# KiCad board TRS80_Model_I_Jap20_E1.kicad_pcb (continued)
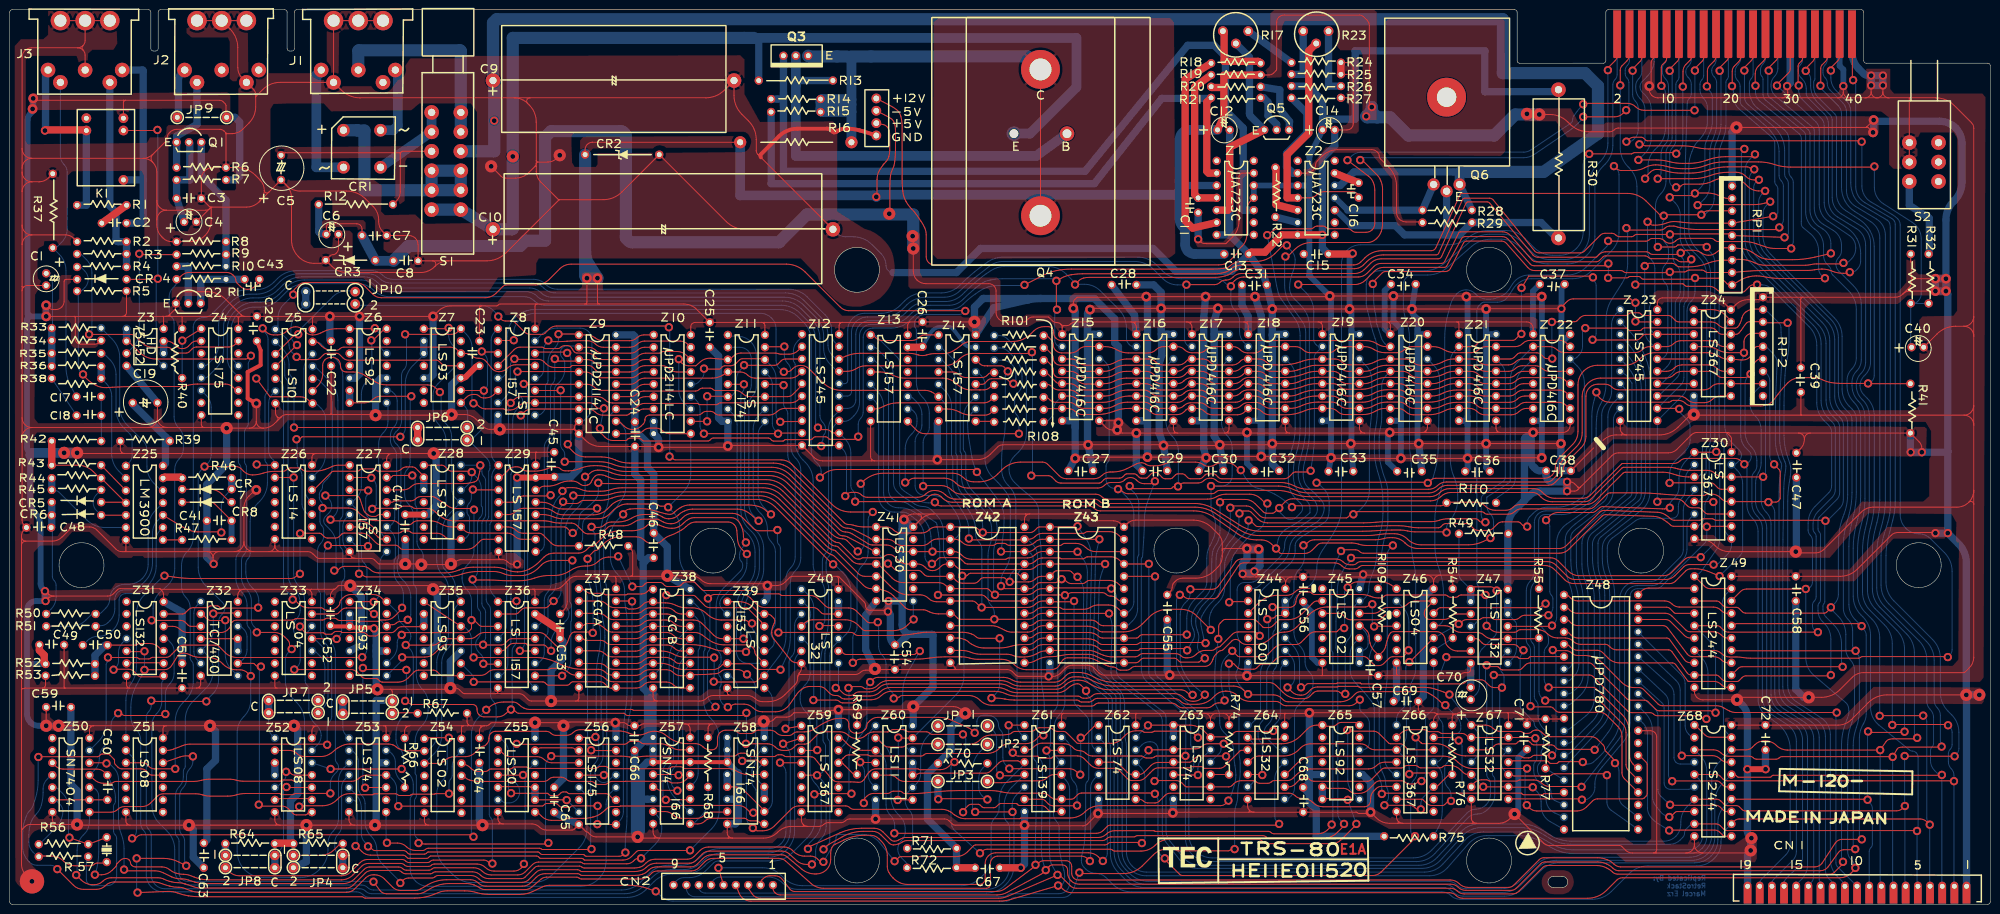
[diagram p0: board, top side]
## Routing (per net, layer and track width the routed paths; a pad name or vN(x,y) marks a point on that pad's centre or on a via; arc(x,y) is an arc through that point) (continued)
  Bottom w0.2: v2(260.22,73.17) 260.67,75.05 arc(260.95,75.78) 261.43,76.41 261.93,76.92 arc(262,76.98) 262.07,77.03 arc(262.15,77.08) 262.23,77.13 264.46,78.44 arc(265.4,79.05) 266.28,79.75 267.1,80.46 arc(267.13,80.48) 267.17,80.51 arc(267.2,80.54) 267.21,80.58 267.21,81.43 arc(267.04,82.25) 266.58,82.94 265.4,84.12 arc(264.7,84.98) 264.19,85.97 arc(263.88,87.03) 263.78,88.14 263.78,88.79 arc(263.9,90.55) 264.26,92.28 264.54,93.28 arc(265.01,95.54) 265.17,97.86 265.17,116.95 arc(265.11,117.87) 264.92,118.76 arc(264.6,119.62) 264.14,120.41 261.27,124.52 arc(260.91,125.14) 260.67,125.81 arc(260.49,126.51) 260.34,127.22 v2(258.42,137.64) ; v2(284.22,73.81) 283.65,73.23 arc(283.23,72.6) 283.08,71.85 283.08,47.54 arc(283.02,46) 282.83,44.47 arc(282.64,42.94) 282.57,41.4 282.57,29.94 arc(282.82,28.7) 283.53,27.64 284.3,26.87 arc(284.5,26.74) 284.73,26.69 Z66.5 ; v2(346.23,163.32) 346.26,163.35 arc(346.29,163.4) 346.3,163.45 v2(346.3,171.49) ; v2(274.9,153.05) 275.73,153.88 arc(276.64,154.49) 277.72,154.7 311.13,154.7 arc(311.88,154.82) 312.55,155.14 320.81,160.68 arc(321.08,160.98) 321.18,161.37 arc(321.25,161.8) 321.44,162.18 322.09,163.08 arc(322.47,163.58) 322.9,164.04 323.31,164.46 arc(323.33,164.49) 323.34,164.52 v2(323.34,164.56) ; v2(190.12,82.7) 190.05,82.63 arc(189.98,82.59) 189.9,82.57 188.78,82.57 arc(187.62,82.73) 186.56,83.21 184.3,84.64 arc(183.79,85.01) 183.32,85.43 arc(182.99,85.93) 182.87,86.51 182.87,110.62 arc(182.87,110.63) 182.87,110.63 arc(182.88,110.64) 182.88,110.64 182.88,111.33 arc(182.75,111.98) 182.38,112.53 178.11,116.8 arc(177.76,117.03) 177.35,117.11 Z13.1
/CPU Gating/ZA0: length 39.1
  Top w0.2: v2(341.02,15.18) 341.06,15.22 arc(341.1,15.25) 341.15,15.26 350.38,15.26 arc(350.93,15.15) 351.39,14.84 352.03,14.2 arc(352.27,14.05) 352.55,13.99 Z68.11
  Bottom w0.2: v2(341.02,15.18) 338.7,16.62 arc(337.88,17.23) 337.18,17.99 arc(336.71,18.87) 336.55,19.86 336.55,34.99 arc(336.3,36.24) 335.6,37.29 Z48.30
/CPU Gating/ZA1: length 31
  Top w0.2: v2(341.04,17.95) 341.16,17.95 arc(341.26,17.97) 341.35,18.03 342.22,18.9 arc(342.41,19.03) 342.62,19.07 346.2,19.07
  Bottom w0.2: v2(341.04,17.95) 340.38,18.19 arc(339.78,18.51) 339.28,18.98 338.27,20.23 arc(337.75,21.17) 337.56,22.22 337.56,35.8 arc(337.18,37.71) 336.1,39.33 Z48.31
/CPU Gating/ZA2: length 38.7
  Top w0.2: 353.82,19.07 352.75,19.07 arc(352.45,19.13) 352.19,19.3 351.55,19.95 arc(351.08,20.26) 350.53,20.36 341.37,20.36 arc(341.3,20.38) 341.25,20.42 v2(341.2,20.47)
  Bottom w0.2: Z48.32 338.1,40.19 arc(338.55,39.57) 338.71,38.82 338.71,23.62 arc(338.87,22.83) 339.34,22.17 v2(341.2,20.47)
/CPU Gating/ZA3: length 30.3
  Bottom w0.2: Z48.33 339.48,41.49 arc(339.85,40.98) 339.98,40.37 339.98,24.94 arc(340.08,24.44) 340.36,24.02 arc(340.78,23.74) 341.28,23.64 344.95,23.64 arc(345.28,23.71) 345.56,23.9 345.68,24.01 arc(345.83,24.11) 346.01,24.15 Z68.6
/CPU Gating/ZA4: length 38.6
  Top w0.2: v2(341.63,25.32) 341.65,25.34 arc(341.68,25.36) 341.71,25.37 350.79,25.37 arc(351.17,25.29) 351.5,25.08 352.11,24.47 arc(352.46,24.23) 352.87,24.15 Z68.15
  Bottom w0.2: Z48.34 340.15,43.23 arc(340.68,42.48) 340.87,41.59 340.87,26.62 arc(340.97,26.12) 341.25,25.7 v2(341.63,25.32)
/CPU Gating/ZA5: length 29
  Bottom w0.2: Z68.4 346.01,29.04 arc(345.8,28.9) 345.55,28.85 343.31,28.85 arc(342.81,28.95) 342.39,29.23 arc(342.11,29.65) 342.01,30.15 342.01,43.14 arc(341.78,44.24) 341.12,45.14 Z48.35
/CPU Gating/ZA6: length 37.2
  Top w0.2: v2(343.61,30.55) 343.62,30.56 arc(343.64,30.57) 343.65,30.58 349.87,30.58 arc(350.75,30.4) 351.5,29.9 351.59,29.81 arc(352.23,29.38) 352.99,29.23 Z68.17
  Bottom w0.2: Z48.36 342.4,46.07 arc(343.05,45.13) 343.28,44.02 343.28,31.11 arc(343.32,30.9) 343.44,30.71 v2(343.61,30.55)
/CPU Gating/ZA7: length 26.6
  Bottom w0.2: Z48.37 343.61,47.06 arc(344.12,46.3) 344.3,45.41 344.3,36.69 arc(344.48,35.78) 344.99,35.01 345.51,34.49 arc(345.71,34.36) 345.95,34.31 346.2,34.31
/CPU Gating/ZA8: length 13
  Top w0.2: Z49.6 345.44,54.76 arc(344.73,54.9) 344.14,55.29 341.28,58.15 arc(340.82,58.46) 340.28,58.57 Z48.38
/CPU Gating/ZA9: length 12
  Top w0.2: Z48.39 340.49,61.11 arc(340.86,61.03) 341.18,60.82 342.03,59.97 arc(342.18,59.87) 342.35,59.84 Z49.4
/CPU Gating/ZA10: length 12.1
  Top w0.2: Z48.40 334.64,63.7 arc(334.65,63.74) 334.68,63.78 335.29,64.4 arc(336.01,64.87) 336.85,65.04 345.98,65.04 arc(346.07,65.03) 346.14,64.98 Z49.2
/CPU Gating/ZA11: length 35.5
  Top w0.2: Z49.17 353.06,59.84 arc(352.35,59.98) 351.76,60.37 351.65,60.48 arc(350.93,60.96) 350.08,61.13 343.14,61.13 arc(342.31,61.3) 341.6,61.77 arc(340.9,62.24) 340.07,62.4 322.24,62.4 arc(321.43,62.56) 320.74,63.02 320.37,63.39 arc(320.09,63.58) 319.76,63.65 Z48.1
/CPU Gating/ZA12: length 36.6
  Top w0.2: Z48.2 319.7,61.11 arc(319.96,61.05) 320.19,60.9 320.61,60.48 arc(321.3,60.02) 322.11,59.86 340.18,59.86 arc(340.93,59.71) 341.57,59.29 344.45,56.41 arc(344.84,56.14) 345.31,56.05 350.14,56.05 arc(350.98,55.88) 351.7,55.4 351.83,55.28 arc(352.4,54.89) 353.08,54.76 Z49.15
/CPU Gating/ZA13: length 38.2
  Top w0.2: Z49.13 353.08,49.68 arc(352.4,49.81) 351.83,50.2 351.72,50.3 arc(351.04,50.76) 350.22,50.92 345.85,50.92 arc(345.21,51.07) 344.7,51.49 340.7,56.83 arc(340.27,57.19) 339.72,57.32 322.27,57.32 arc(321.45,57.48) 320.76,57.94 320.4,58.31 arc(320.11,58.5) 319.77,58.57 Z48.3
/CPU Gating/ZA14: length 29.6
  Top w0.2: Z48.4 319.8,56.03 arc(320.16,55.95) 320.47,55.75 320.83,55.39 arc(321.53,54.92) 322.36,54.76 340.57,54.76 arc(340.86,54.69) 341.08,54.49 344.13,50.32 arc(344.69,49.85) 345.4,49.68 346.18,49.68 arc(346.19,49.67) 346.19,49.66 346.17,49.65
/CPU Gating/ZA15: length 37.9
  Top w0.2: Z49.11 353.07,44.6 arc(352.38,44.73) 351.79,45.13 351.7,45.22 arc(351.01,45.68) 350.2,45.84 345.12,45.84 ; 345.12,45.84 345.04,45.84 arc(344.92,45.87) 344.82,45.95 342.34,49.3 arc(342.04,49.56) 341.65,49.65 330.81,49.65 arc(329.56,49.9) 328.51,50.61 327.34,51.77 arc(326.82,52.12) 326.2,52.24 322.24,52.24 arc(321.43,52.4) 320.74,52.86 320.37,53.23 arc(320.09,53.42) 319.76,53.49 Z48.5 ; 345.12,45.84 345.06,45.84
/CPU Gating/ZD0: length 96
  Bottom w0.2: Z23.3 332.64,115.22 arc(334.01,113.35) 335.13,111.32 335.18,111.21 arc(335.92,109.06) 336.17,106.8 336.17,85.55 arc(336.08,84.51) 335.83,83.51 arc(335.37,82.6) 334.68,81.85 327.04,75.6 arc(326.56,75) 326.39,74.24 326.39,70.21 arc(326.56,68.51) 327.09,66.88 arc(327.61,65.26) 327.79,63.56 327.79,40.89 arc(327.38,38.79) 326.23,36.99 320.78,31.26 arc(320.38,30.94) 319.91,30.75 Z48.14
/CPU Gating/ZD1: length 101.5
  Bottom w0.2: Z23.2 332.87,117.87 arc(334.34,116.1) 335.44,114.09 336.13,112.51 arc(336.82,110.33) 337.06,108.06 337.06,84.67 arc(336.59,82.67) 335.3,81.07 328.54,75.81 arc(327.61,74.66) 327.28,73.21 327.28,71.04 arc(327.47,69.15) 328.04,67.33 arc(328.61,65.51) 328.8,63.62 328.8,40.51 arc(328.4,38.4) 327.26,36.59 Z48.15
/CPU Gating/ZD2: length 85.1
  Bottom w0.2: Z23.5 331.79,111.33 arc(332.56,110.47) 333.23,109.52 333.44,109.18 arc(334.05,107.78) 334.26,106.27 334.26,84.46 arc(334.11,83.78) 333.68,83.24 325.34,76.49 arc(324.52,75.44) 324.23,74.15 324.23,70.76 arc(324.4,68.76) 324.93,66.82 arc(325.45,64.88) 325.63,62.89 325.63,42.38 arc(325.17,40.37) 323.89,38.75 320.83,36.29 arc(320.39,36.01) 319.91,35.83 Z48.12
/CPU Gating/ZD3: length 62.3
  Bottom w0.2: Z48.8 319.91,45.87 arc(320.38,45.96) 320.78,46.23 321.43,46.88 arc(322.19,48.01) 322.45,49.33 322.45,61.57 arc(322.25,63.87) 321.66,66.09 321.59,66.28 arc(321,68.51) 320.8,70.8 320.8,75.46 arc(320.87,75.94) 321.09,76.38 arc(321.4,76.76) 321.77,77.1 328.04,81.98 arc(328.7,82.64) 329.18,83.46 arc(329.47,84.37) 329.56,85.31 329.56,99.62 arc(329.74,100.53) 330.26,101.3 Z23.9
/CPU Gating/ZD4: length 62.1
  Bottom w0.2: Z23.8 329.69,103.27 arc(328.75,101.86) 328.42,100.2 328.42,84.7 arc(328.16,83.58) 327.44,82.7 321.71,78.21 arc(320.95,77.55) 320.28,76.8 arc(319.82,75.94) 319.66,74.99 319.66,70.34 arc(319.87,68.13) 320.48,66 arc(321.09,63.86) 321.27,61.65 321.06,49.75 arc(320.99,49.31) 320.8,48.91 arc(320.49,48.62) 320.09,48.48 Z48.7
/CPU Gating/ZD5: length 71.3
  Bottom w0.2: Z23.7 331.66,106.38 arc(332.18,105.61) 332.36,104.7 332.36,85.16 arc(332.24,84.65) 331.93,84.24 322.98,76.71 arc(322.21,75.71) 321.94,74.49 321.94,70.31 arc(322.12,68.38) 322.64,66.5 arc(323.16,64.63) 323.34,62.69 323.34,47.29 arc(322.97,45.66) 321.94,44.34 320.99,43.56 arc(320.51,43.31) 319.97,43.26 Z48.9
/CPU Gating/ZD6: length 77
  Bottom w0.2: Z48.10 320.04,40.91 arc(320.63,41.12) 321.15,41.48 322.71,42.94 arc(323.93,44.66) 324.36,46.71 324.36,63.15 arc(324.2,64.89) 323.72,66.57 arc(323.25,68.25) 323.09,69.99 323.09,74.26 arc(323.38,75.57) 324.21,76.63 332.96,83.75 arc(333.26,84.14) 333.37,84.63 333.37,107.16 arc(333.36,107.2) 333.34,107.24 arc(333.31,107.27) 333.28,107.31 332.65,108.25 arc(332.17,108.8) 331.6,109.24 Z23.6
/CPU Gating/ZD7: length 91
  Bottom w0.2: Z23.4 332.34,113.13 arc(333.51,111.58) 334.45,109.87 arc(335.07,108.05) 335.28,106.14 335.28,84.23 arc(335.12,83.53) 334.68,82.97 326.21,76 arc(325.5,75.08) 325.25,73.95 325.25,71.34 arc(325.44,69.14) 326.01,67.01 arc(326.58,64.88) 326.77,62.69 326.77,41.39 arc(326.35,39.31) 325.16,37.56 320.96,33.44 arc(320.5,33.16) 319.97,33.1 Z48.13
/CPU Gating/ZMUX: length 64.8
  Top w0.2: Z66.4 282.56,29.23 arc(281.66,29.05) 280.89,28.53 arc(280.12,28.02) 279.21,27.84 267.31,27.84 arc(265.74,27.53) 264.42,26.64 263.7,25.93 arc(263.17,25.57) 262.54,25.44 259.9,25.44 arc(259.54,25.37) 259.23,25.16 arc(258.92,24.96) 258.56,24.89 256.84,24.89 arc(256.49,24.95) 256.2,25.15 arc(255.9,25.35) 255.55,25.42 253.07,25.42 arc(252.24,25.25) 251.53,24.78 251.18,24.43 arc(250.87,24.22) 250.5,24.15 Z63.9 241.91,24.15 arc(241.7,24.19) 241.51,24.31 240.87,24.96 arc(240.33,25.32) 239.7,25.44 235.43,25.44 arc(235.36,25.43) 235.3,25.39 v2(235.25,25.34)
  Bottom w0.2: Z62.12 231.52,31.77 arc(231.64,31.79) 231.74,31.86 232.67,32.79 arc(233.36,33.26) 234.19,33.42 234.45,33.42 arc(235.03,33.3) 235.52,32.98 arc(235.85,32.48) 235.96,31.9 235.96,26.56 arc(235.87,26.09) 235.61,25.7 v2(235.25,25.34)
/CPU Gating/~{CAS}: length 390.1
  Top w0.2: v2(172.36,44.49) 172.53,44.49 arc(172.68,44.52) 172.81,44.61 172.83,44.63 arc(172.99,44.74) 173.17,44.77 174.88,44.77 arc(175.18,44.71) 175.44,44.55 arc(175.69,44.38) 175.99,44.32 176.66,44.32 arc(177.57,44.5) 178.35,45.02 178.5,45.17 arc(179.44,45.8) 180.55,46.02 203.61,46.02 arc(204.68,45.87) 205.67,45.45 arc(206.67,45.02) 207.74,44.88 214.84,44.88 arc(215.37,44.94) 215.87,45.14 arc(216.33,45.44) 216.75,45.8 216.78,45.83 arc(217.21,46.2) 217.68,46.51 arc(218.2,46.71) 218.76,46.78 219.57,46.78 arc(220.92,46.62) 222.19,46.16 222.87,45.83 arc(224.84,45.12) 226.93,44.88 251.56,44.88 arc(252.64,44.66) 253.55,44.05 254.34,43.26 arc(254.38,43.23) 254.43,43.22 v2(254.48,43.22) 254.86,43.22 arc(254.95,43.2) 255.04,43.15 arc(255.12,43.09) 255.22,43.07 259.67,43.07 arc(260.6,42.89) 261.39,42.36 261.67,42.08 arc(262.15,41.76) 262.71,41.65 273.4,41.65 arc(274.76,41.92) 275.92,42.69 276.53,43.3 arc(277.01,43.62) 277.57,43.73 290.41,43.73 arc(291.06,43.64) 291.66,43.39 292.24,43.04 arc(293.12,42.44) 293.93,41.73 294.57,41.08 arc(294.7,40.99) 294.85,40.96 v2(295.02,40.96) ; v2(296.19,21.25) 295.91,21.25 arc(295.65,21.2) 295.43,21.06 294.88,20.5 arc(294.67,20.36) 294.42,20.31 292.32,20.31 arc(291.67,20.44) 291.12,20.81 290.47,21.46 arc(290.3,21.57) 290.1,21.61 Z66.7 ; v2(277.52,153.08) 277.72,153.08 arc(277.91,153.04) 278.07,152.94 281.08,149.92 arc(281.37,149.58) 281.59,149.18 281.76,148.79 arc(282.03,147.96) 282.12,147.09 282.12,140.03 arc(282.05,139.22) 281.86,138.43 arc(281.51,137.7) 281.01,137.07 280.83,136.88 arc(279.98,136.31) 278.97,136.11 267.51,136.11 arc(265.63,135.74) 264.04,134.68 262.77,133.4 arc(262.59,133.28) 262.38,133.24 v2(262.15,133.24) ; v2(323.34,161.97) 329.84,161.97 arc(330.73,162.15) 331.49,162.66 v2(332.18,163.34)
  Bottom w0.2: v2(332.18,163.34) 332.46,163.62 arc(332.67,163.93) 332.74,164.29 332.74,169.03 arc(332.64,169.52) 332.36,169.94 arc(332.08,170.37) 331.98,170.86 331.98,171.48 arc(332.09,172.06) 332.42,172.55 arc(332.75,173.04) 332.87,173.62 J4.3 ; v2(172.36,44.49) 172.41,44.44 arc(172.45,44.39) 172.46,44.32 172.46,35.33 arc(172.18,33.92) 171.38,32.72 Z59.14 ; v2(295.02,40.96) 295.02,40.94 arc(295.02,40.91) 295.04,40.9 297.48,38.46 arc(298.01,37.66) 298.19,36.72 298.19,36.16 arc(298.11,35.74) 297.88,35.39 297.78,35.3 arc(297.53,35.13) 297.24,35.07 arc(296.95,35.01) 296.7,34.85 296.35,34.5 arc(295.93,33.87) 295.78,33.12 295.78,30.11 arc(295.67,29.53) 295.34,29.04 arc(295.01,28.55) 294.89,27.97 294.89,25.57 arc(295.06,24.73) 295.54,24.01 arc(296.02,23.29) 296.19,22.45 v2(296.19,21.25) ; v2(323.34,161.97) 323.34,161.83 arc(323.31,161.7) 323.24,161.59 322.36,160.71 arc(321.33,159.77) 320.22,158.94 313.27,154.23 arc(312.24,153.73) 311.11,153.56 278.34,153.56 arc(278.03,153.5) 277.76,153.32 v2(277.52,153.08) ; v2(262.15,133.24) 262.08,133.17 arc(262.02,133.08) 262,132.98 262,127.27 arc(262.34,125.09) 263.32,123.12 265.63,119.87 arc(266.14,118.83) 266.32,117.69 266.32,98.24 arc(266.17,95.92) 265.74,93.64 265.11,91.17 arc(264.87,89.93) 264.79,88.66 264.79,88.36 arc(264.89,87.41) 265.17,86.51 arc(265.63,85.67) 266.24,84.93 267.92,83.25 arc(268.52,82.35) 268.73,81.3 arc(268.48,80.29) 267.79,79.5 263.25,76.33 arc(262.33,75.28) 262,73.93 arc(261.72,72.53) 260.92,71.33 256.36,66.77 arc(256,66.49) 255.59,66.31 arc(255.14,66.22) 254.68,66.19 253.74,66.19 arc(253.16,66.07) 252.66,65.74 arc(252.34,65.25) 252.22,64.67 252.22,55.89 arc(252.28,55.28) 252.47,54.69 arc(252.66,54.11) 252.73,53.5 252.73,50.26 arc(252.63,49.31) 252.35,48.41 252.17,47.98 arc(252.02,47.51) 251.97,47.01 arc(252.02,46.51) 252.18,46.04 252.28,45.8 arc(252.66,45.14) 253.14,44.56 v2(254.48,43.22)
/CPU Gating/~{DBIN}: length 79.7
  Top w0.2: Z47.11 316.68,57.17 arc(316.78,57.19) 316.86,57.25 v2(316.94,57.32)
  Bottom w0.2: Z23.1 330.07,121.43 arc(329.41,120.45) 329.18,119.28 329.18,105.47 arc(328.92,104.14) 328.17,103.02 arc(327.41,101.89) 327.15,100.56 327.15,86.03 arc(327.09,84.99) 326.9,83.97 arc(326.49,83.06) 325.79,82.34 319.92,78.18 arc(319.08,77.43) 318.43,76.51 arc(318.02,75.46) 317.88,74.35 317.88,58.93 arc(317.76,58.31) 317.41,57.79 v2(316.94,57.32)
/CPU Gating/~{IN}: length 356
  Top w0.2: v2(242.62,64.79) 247.1,64.79 arc(247.81,64.96) 248.37,65.44 251.91,70.41 arc(252.43,70.85) 253.09,71.01 272.58,71.01 arc(273.36,70.86) 274.03,70.42 arc(274.69,69.97) 275.47,69.82 276.01,69.82 arc(276.44,69.9) 276.81,70.15 arc(277.17,70.39) 277.6,70.48 315.97,70.48 arc(316.96,70.28) 317.8,69.72 320.03,67.49 arc(320.8,66.98) 321.71,66.8 340.28,66.8 arc(341.31,67) 342.19,67.59 344.02,69.42 arc(344.52,69.75) 345.11,69.87 v2(350.14,69.87) ; v2(165.15,42.01) 169.79,42.01 arc(170.17,41.93) 170.5,41.71 arc(170.82,41.5) 171.2,41.42 173.13,41.42 arc(173.55,41.5) 173.9,41.74 arc(174.25,41.97) 174.67,42.06 176.99,42.06 arc(178.14,42.28) 179.11,42.93 arc(180.08,43.58) 181.22,43.81 202.39,43.81 arc(203.55,43.68) 204.66,43.31 arc(205.77,42.94) 206.93,42.82 219.56,42.82 arc(219.84,42.76) 220.08,42.6 arc(220.32,42.44) 220.6,42.39 221.28,42.39 arc(221.89,42.51) 222.41,42.86 arc(222.93,43.2) 223.55,43.33 239.32,43.33 arc(240.35,43.12) 241.22,42.54 arc(242.09,41.96) 243.12,41.75 243.34,41.75 arc(244.2,41.92) 244.93,42.41 245.57,43.05 arc(245.59,43.07) 245.59,43.1 v2(245.59,43.12)
  Bottom w0.2: 162.69,64.79 162.81,64.79 arc(162.93,64.77) 163.03,64.7 164.08,63.65 arc(164.93,62.38) 165.22,60.89 165.22,42.14 arc(165.22,42.09) 165.19,42.04 v2(165.15,42.01) ; J4.19 353.19,170.3 arc(353.12,169.97) 352.93,169.69 arc(352.74,169.41) 352.68,169.08 352.68,160.2 arc(352.61,159.29) 352.42,158.39 arc(352.15,157.51) 351.83,156.64 351.72,156.36 arc(351.39,155.19) 351.28,153.99 351.28,96.5 arc(351.41,95.83) 351.79,95.27 arc(352.16,94.71) 352.3,94.04 352.3,77.8 arc(352.49,76.81) 353.06,75.97 353.44,75.58 arc(353.72,75.16) 353.82,74.66 353.82,74 arc(353.6,72.88) 352.97,71.94 351.17,70.14 arc(350.87,69.94) 350.52,69.87 v2(350.14,69.87) ; v2(242.62,64.79) 242.59,64.76 arc(242.57,64.74) 242.57,64.7 242.57,63.87 arc(242.41,63.08) 241.96,62.4 241.55,62 arc(240.8,60.87) 240.54,59.54 240.54,50.74 arc(240.75,49.1) 241.36,47.56 241.49,47.33 arc(242.59,45.74) 243.98,44.4 v2(245.59,43.12)
/CPU Gating/~{OUT}: length 406.8
  Top w0.2: Z30.7 341.97,77.74 arc(341.58,77.82) 341.25,78.04 arc(340.94,78.33) 340.61,78.58 339.96,79.05 arc(338.9,79.59) 337.74,79.8 327.99,80.14 arc(327.57,80.07) 327.21,79.83 320.4,73.02 arc(319.49,72.42) 318.43,72.21 278.25,72.21 arc(277.79,72.3) 277.39,72.56 arc(277,72.82) 276.53,72.92 274.02,72.92 arc(273.85,72.88) 273.71,72.79 v2(273.58,72.66) ; v2(338.68,135.2) 342.12,135.2 arc(342.32,135.24) 342.49,135.35 342.71,135.57 arc(342.78,135.61) 342.86,135.63 348,135.63 arc(348.28,135.57) 348.52,135.41 v2(348.74,135.2) ; v2(164.03,11.4) 164.67,12.04 arc(164.72,12.07) 164.78,12.08 arc(164.84,12.09) 164.9,12.11 170.61,14.69 arc(172.77,15.4) 175.03,15.64 177.62,15.64 arc(178.61,15.44) 179.44,14.88 181.04,13.29 arc(181.39,13.05) 181.8,12.97 arc(182.23,13.03) 182.63,13.19 182.84,13.31 arc(183.14,13.47) 183.45,13.61 arc(183.77,13.7) 184.11,13.74 223.67,13.74 arc(224.59,13.92) 225.36,14.43 arc(226.13,14.95) 227.05,15.13 235.11,15.13 arc(235.2,15.12) 235.27,15.07 arc(235.34,15.02) 235.42,15 258.59,15 arc(258.92,14.94) 259.21,14.75 arc(259.49,14.56) 259.82,14.5 268.83,14.5 arc(269.91,14.71) 270.83,15.32 271.56,16.06 arc(271.63,16.16) 271.65,16.28 v2(271.65,16.4) ; v2(341.12,171.44) 341.12,171.62 arc(341.15,171.79) 341.25,171.92 342.67,173.35 arc(342.93,173.74) 343.02,174.21 J4.12
  Bottom w0.2: v2(338.68,135.2) 338.68,135.31 arc(338.66,135.42) 338.6,135.51 338.44,135.67 arc(338.26,135.93) 338.2,136.25 338.2,143.53 arc(338.48,144.94) 339.28,146.13 arc(340.08,147.33) 340.36,148.74 340.36,154.57 arc(340.52,155.4) 340.99,156.1 arc(341.46,156.81) 341.63,157.64 341.63,170.58 arc(341.56,170.91) 341.37,171.19 v2(341.12,171.44) ; v2(273.58,72.66) 272.6,70.46 arc(271.89,68.29) 271.65,66.03 271.65,52.27 arc(271.68,52.1) 271.78,51.96 arc(271.87,51.82) 271.9,51.66 271.9,16.84 arc(271.87,16.67) 271.78,16.53 v2(271.65,16.4) ; v2(164.03,11.4) 164.03,11.84 arc(164.11,12.25) 164.35,12.6 165.39,13.65 arc(166.4,15.15) 166.75,16.93 166.75,22.02 arc(166.45,23.52) 165.61,24.78 arc(164.76,26.05) 164.46,27.54 164.46,37.32 arc(164.2,38.64) 163.45,39.77 arc(162.7,40.9) 162.43,42.22 162.43,42.65 arc(162.7,43.98) 163.45,45.1 arc(164.2,46.23) 164.46,47.56 164.46,52.03 arc(164.26,53.02) 163.7,53.87 163.03,54.54 arc(162.93,54.61) 162.81,54.63 162.69,54.63 ; Z30.7 346.58,77.74 arc(346.93,77.81) 347.23,78.01 347.66,78.44 arc(348.18,79.22) 348.36,80.13 348.36,82.19 arc(348.47,82.78) 348.8,83.27 arc(349.13,83.76) 349.25,84.34 349.25,92.81 arc(349.4,93.56) 349.82,94.19 arc(350.24,94.82) 350.39,95.57 350.39,132.07 arc(350.18,133.15) 349.57,134.07 348.85,134.79 arc(348.77,134.9) 348.74,135.05 v2(348.74,135.2)
/CPU Gating/~{TEST}: length 260.6
  Top w0.2: R55.2 314.2,54.69 arc(314.13,54.65) 314.04,54.63 304.6,54.63 arc(303.75,54.8) 303.03,55.28 arc(302.32,55.76) 301.47,55.92 298.25,55.92 arc(297.35,56.1) 296.59,56.61 arc(295.83,57.12) 294.94,57.3 Z46.11 ; v2(315.54,41.9) 315.61,41.97 arc(315.68,42.01) 315.76,42.03 325.49,42.03 arc(326.46,41.84) 327.28,41.29 331.39,37.18 arc(331.96,36.34) 332.15,35.34 332.15,28.69 arc(332.27,28.08) 332.61,27.57 Z48.25 ; v2(366.09,134.89) 362.83,134.89 arc(361.83,134.97) 360.87,135.21 arc(359.92,135.53) 358.97,135.85 358.77,135.92 arc(357.61,136.22) 356.42,136.32 351.14,136.32 arc(350.71,136.4) 350.34,136.65 arc(349.97,136.89) 349.54,136.98 343.59,136.98 arc(342.93,136.84) 342.36,136.47 342.31,136.42 arc(341.81,136.08) 341.21,135.96 arc(340.61,136.08) 340.1,136.42 340.07,136.46 arc(339.52,136.82) 338.87,136.95 337.58,136.95 arc(337.21,136.88) 336.9,136.67 arc(336.59,136.46) 336.23,136.39 328.56,136.39 arc(328.52,136.4) 328.5,136.42 v2(328.47,136.44)
  Bottom w0.2: v2(366.09,134.89) 366.09,135.19 arc(366.14,135.45) 366.29,135.68 366.3,135.69 arc(366.46,135.93) 366.52,136.21 366.52,148.49 arc(366.4,149.07) 366.08,149.56 arc(365.75,150.05) 365.63,150.63 365.63,157.26 arc(365.37,158.39) 364.65,159.31 359.18,163.76 arc(357.94,165.33) 357.5,167.28 357.5,168.9 arc(357.6,169.4) 357.88,169.82 arc(358.17,170.24) 358.26,170.74 J4.23 ; R55.2 314.26,43.79 arc(314.4,43.07) 314.81,42.46 315.3,41.97 arc(315.37,41.92) 315.45,41.9 v2(315.54,41.9) ; Z46.11 293.11,57.3 arc(293.58,57.39) 293.98,57.66 294.13,57.8 arc(294.51,58.37) 294.64,59.03 294.64,63.86 arc(294.46,66.16) 293.92,68.4 293.58,69.43 arc(293.04,71.68) 292.86,73.98 292.86,79.18 arc(293,81.15) 293.43,83.08 293.6,83.64 arc(294.01,84.98) 294.45,86.32 arc(294.78,87.67) 294.89,89.05 294.89,116.56 arc(295.04,118.87) 295.49,121.15 296.09,123.39 arc(296.56,124.52) 297.31,125.5 297.43,125.62 arc(298.28,126.19) 299.27,126.38 arc(300.27,126.19) 301.12,125.62 301.31,125.43 arc(302.36,124.73) 303.61,124.48 304.3,124.48 arc(304.99,124.55) 305.65,124.74 306.36,125.03 arc(307.38,125.65) 308.16,126.54 308.82,127.58 arc(310.28,128.94) 312.2,129.43 320.07,129.43 arc(322.15,129.85) 323.92,131.03 328.17,135.27 arc(328.39,135.61) 328.47,136.01 v2(328.47,136.44)
/CPU Gating/~{WR}: length 366.5
  Top w0.2: v2(252.98,89.3) 252.85,89.3 arc(252.74,89.32) 252.64,89.39 251.97,90.06 arc(251.12,90.63) 250.13,90.82 249.21,90.82 arc(248.43,90.73) 247.71,90.44 247.51,90.34 arc(247,90.13) 246.44,90.06 arc(245.89,90.14) 245.39,90.37 245.17,90.51 arc(244.44,90.84) 243.65,90.95 239.28,90.95 arc(238.27,90.85) 237.3,90.57 arc(236.33,90.29) 235.32,90.19 234.48,90.19 arc(233.96,90.27) 233.49,90.51 233.46,90.53 arc(233.02,90.75) 232.53,90.82 arc(232.04,90.77) 231.57,90.6 229.58,89.6 arc(228.18,89.09) 226.69,88.92 226.16,88.92 arc(225.24,88.74) 224.47,88.22 arc(223.7,87.7) 222.78,87.52 217.18,87.52 arc(216.35,87.69) 215.64,88.16 213.3,90.5 arc(212.8,90.83) 212.21,90.95 207.74,90.95 arc(205.66,90.54) 203.89,89.36 203.01,88.48 arc(201.25,87.3) 199.17,86.89 198.11,86.89 arc(196.94,87.12) 195.96,87.78 arc(194.97,88.43) 193.81,88.66 179.57,88.66 arc(177.23,88.2) 175.24,86.87 v2(174.88,86.51) ; v2(174.27,72.59) 172.07,74.78 arc(171.63,75.07) 171.12,75.18 arc(170.57,75.23) 170.05,75.4 169.97,75.43 arc(169.42,75.74) 168.94,76.14 159.33,85.75 arc(157.56,86.93) 155.48,87.34 125.45,87.34 arc(124.23,87.47) 123.06,87.85 122.53,88.09 arc(121.9,88.29) 121.24,88.36 121.07,88.36 arc(120.61,88.27) 120.22,88.01 arc(119.91,87.64) 119.66,87.22 119.46,86.81 arc(119.19,86.46) 118.79,86.25 118.67,86.22 arc(118.33,86.15) 117.99,86.12 arc(117.67,86.18) 117.37,86.32 116.99,86.59 arc(116.29,86.94) 115.52,87.06 115.12,87.06 arc(113.95,86.93) 112.84,86.53 arc(111.73,86.13) 110.55,86 109.86,86 arc(109.36,85.9) 108.94,85.62 108.73,85.41 arc(108.54,85.28) 108.32,85.24 Z29.14 ; Z30.3 344.99,87.9 arc(343.8,87.99) 342.63,88.25 341.45,88.61 arc(340.6,88.8) 339.73,88.87 331.99,88.87 arc(331.74,88.82) 331.54,88.68 325.88,83.03 arc(324.98,82.43) 323.91,82.21 310.3,82.21 arc(309.53,82.06) 308.89,81.63 arc(308.24,81.2) 307.48,81.04 305.25,81.04 arc(304.18,81.26) 303.26,81.87 arc(302.35,82.48) 301.27,82.7 295.79,82.7 arc(295.31,82.6) 294.9,82.33 arc(294.5,82.06) 294.02,81.96 263.97,81.96 arc(263.79,81.92) 263.64,81.82 v2(263.5,81.68)
  Bottom w0.2: J4.13 345.56,173.8 arc(345.42,173.05) 344.99,172.42 344.87,172.3 arc(344.54,171.8) 344.42,171.22 arc(344.54,170.63) 344.87,170.13 344.99,170.01 arc(345.42,169.38) 345.56,168.63 345.56,166.72 arc(345.46,166.18) 345.15,165.72 arc(344.84,165.27) 344.72,164.73 344.24,149.55 arc(344.19,147.21) 344.17,144.87 344.17,138.29 arc(344.58,136.21) 345.76,134.44 347.15,133.06 arc(348.33,131.29) 348.74,129.21 348.74,96.02 arc(348.62,95.44) 348.3,94.95 arc(347.97,94.46) 347.85,93.88 347.85,89.42 arc(347.74,88.84) 347.41,88.35 347.23,88.17 arc(346.93,87.97) 346.58,87.9 Z30.3 ; v2(252.98,89.3) 253.91,87.78 arc(254.42,87.05) 255.01,86.38 arc(255.71,85.86) 256.53,85.55 257.11,85.42 arc(258.53,85) 259.88,84.39 260.11,84.27 arc(261.32,83.52) 262.43,82.63 v2(263.5,81.68) ; v2(174.27,72.59) 174.47,72.59 arc(174.66,72.62) 174.82,72.73 175.09,73.01 arc(175.4,73.47) 175.51,74.02 175.51,85.42 arc(175.43,85.84) 175.19,86.19 v2(174.88,86.51)
